# Altium PCB spin5v1_simple.PcbDoc (part 21 of 25)
Units mm, origin at the board's own origin, x right, y up, seen from the top; angles counter-clockwise.
Board outline 220.03 x 233.43 mm, 2 copper layers (TOP, BOTTOM), stack 0.176 mm thick; 1457 components, 4724 nets, 19245 pads, 25289 vias.
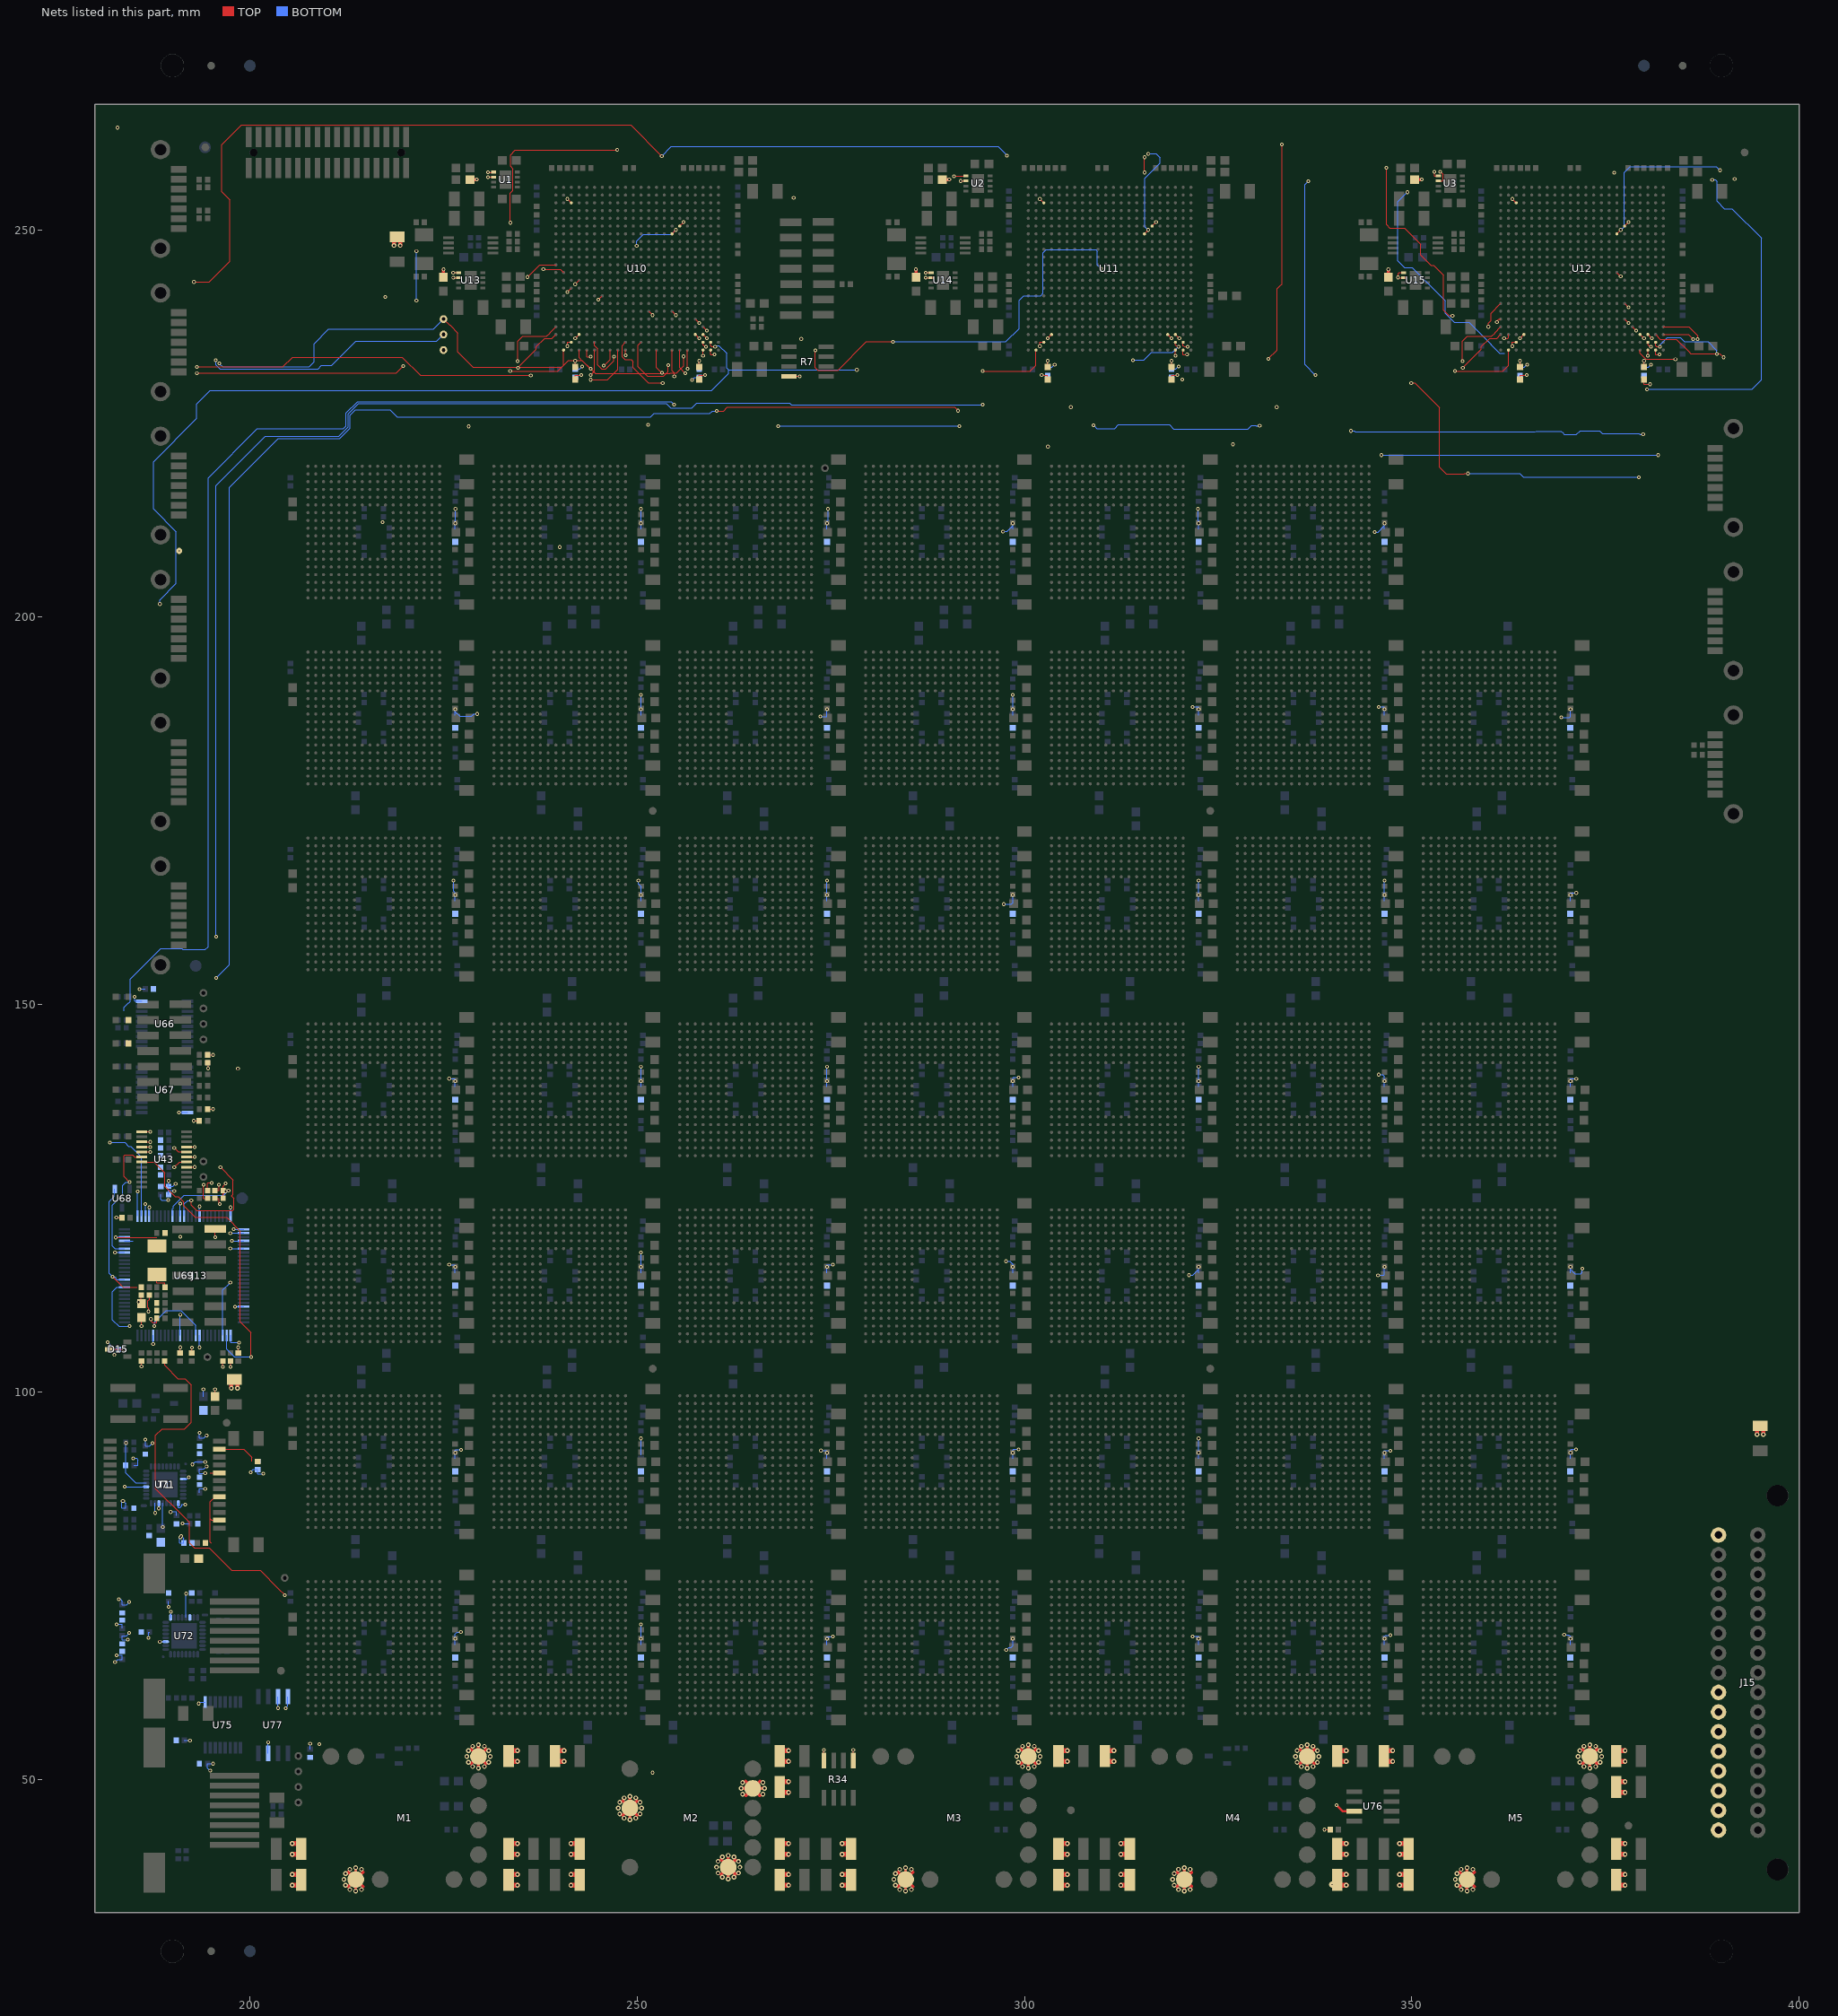
[diagram p21: the nets of this part, all layers, seen from the top]

## Via types
v1: diameter 0.48, hole 0.25, TOP to BOTTOM, 22348 vias
v2: diameter 0.61, hole 0.3, TOP to BOTTOM, 2059 vias
v3: diameter 0.8, hole 0, TOP to BOTTOM, 882 vias

## Nets (pads, with @x,y where several pads share a name; then routed paths per layer and width w, separated by ;. In a path a pad name is that pad's centre, name@x,y a point inside that pad or via, vN(x,y) a via of type N, cw(c..) or ccw(c..) an arc to the next point about the centre after c; other vN are vias at no path point) (continued)
V33: C32.1 C33.1 C34.1 C86.1 C87.1 C88.1 C284.1 C299.1 C340.1 C341.1 C349.1 C432.1 C437.1 C438.1 C704.1 C790.1 C861.1 C898.1 C913.1 C914.1 C947.1 C962.1 C1007.1 C1008.1 C1009.1 D1.2 D2.2 D3.2 D4.2 D5.2 D6.2 D15.3 D16.2 D17.2 D18.2 D19.2 D20.2 D21.2 D22.2 D23.2 D24.2 D25.2 D26.2 D27.2 D28.2 D29.2 D30.2 D31.2 D32.2 D33.2 D34.2 D35.2 D36.2 D37.2 D38.2 D39.2 D40.2 D41.2 D42.2 D43.2 D44.2 D45.2 D46.2 D47.2 D48.2 D49.2 D50.2 D51.2 D52.2 D53.2 D54.2 D55.2 D56.2 D57.2 D58.2 D59.2 D60.2 D61.2 D62.2 D63.2 FB35.1 J13.13 J15.C1 M2.4 R7.8 R8.1 R9.1 R13.1 R18.1 R19.1 R20.1 R21.1 R22.1 R24.1 R25.1 R29.1 R30.1 R31.1 R34.5 R34.8 R115.1 R130.1 R140.1 R143.1 R145.1 R146.1 R147.1 R148.1 R156.1 R160.1 R162.1 R172.1 R173.1 R175.1 R188.1 U1.1 U1.2 U2.1 U2.2 U3.1 U3.2 U13.1 U13.2 U14.1 U14.2 U15.1 U15.2 U43.1 U66.20 U67.20 U69.19 U69.28 U69.42 U69.54 U69.71 U69.84 U69.96 U71.1 U71.12 U71.27 U72.1 U72.27 U75.1 U76.3 U77.3 U77.7 U77.8 | length 202.5
  TOP w0.127: D15.3@181.81,105.5 v1(183.732,105.5) ; v1(182.758,122.5) C299.1@183.47,122.5 ; v1(186,103.268) R25.1@186,103.97 ; v1(186,108.48) FB35.1@186,109.6 ; U43.1@186.05,133.575 v1(187.117,133.575) ; v1(186.917,110.375) 186.917,110.806 186.826,110.897 186.826,111.745 187.03,111.949 R22.1@187.03,112.5 ; v1(187.226,109.4) 187.226,109.189 187.466,108.949 187.97,108.949 R24.1@187.97,109.5 ; C340.1@191,105.03 v1(191,105.742) ; R29.1@192.5,105.03 v1(192.5,105.732) ; v1(192.758,135) C284.1@193.47,135 ; v1(194.004,126.727) 194.004,125 R20.1@194.53,125 ; R18.1@194.53,126 194.53,126.91 194.601,126.981 v1(195.06,126.981) ; R13.1@194.53,136.5 v1(195.232,136.5) ; R9.1@194.53,142.5 194.603,142.5 v1(194.603,141.773) ; R8.1@194.53,143.5 v1(195.232,143.5) ; R21.1@195.47,125 195.996,125 195.996,124.358 v1(196.107,124.247) ; R19.1@195.47,126 195.996,126 v1(195.996,126.727) ; C349.1@195.5,99.4 v1(195.5,100.342) ; v1(195.52,119.971) J13.13@195.52,121.04 ; v1(196.5,103.244) R30.1@196.5,103.97 ; v1(197.5,103.244) R31.1@197.5,103.97 ; C341.1@198.5,105.03 v1(198.5,105.742) ; v1(226.258,244.475) U13.1@226.95,244.475 ; v1(226.259,243.825) U13.2@226.95,243.825 ; v1(230.758,256.825) U1.2@231.45,256.825 ; v1(230.758,257.445) 231.45,257.445 U1.1@231.45,257.475 ; D1.2@242,230.675 242,231.266 v1(242.767,231.266) ; D2.2@258,230.675 258,231.266 v1(258.767,231.266) ; R7.8@269.6,231.1 v1(270.967,231.1) ; R34.8@274.1,52.4 v1(274.1,53.767) ; R34.5@277.91,52.4 v1(277.91,53.767) ; v1(287.258,244.475) U14.1@287.95,244.475 ; v1(287.268,243.825) U14.2@287.95,243.825 ; v1(290.9,256.93) 291.889,256.93 291.934,256.975 U2.1@292.45,256.975 ; v1(291.758,256.325) U2.2@292.45,256.325 ; v1(302.233,231.266) 303,231.266 D3.2@303,230.675 ; D4.2@319,230.675 319,231.266 v1(319.767,231.266) ; v1(338.758,43.5) C1007.1@339.47,43.5 ; U15.2@348.95,243.825 348.302,243.825 v1(348.258,243.869) 348.258,244.348 348.385,244.475 U15.1@348.95,244.475 ; v1(352.934,257.517) 352.934,256.975 U3.1@353.45,256.975 ; U3.2@353.45,256.325 353.46,256.335 353.921,256.335 354.034,256.448 354.034,257.183 v1(353.7,257.517) ; D5.2@364,230.675 364,231.266 v1(364.867,231.266) ; D6.2@380,230.675 380,230.084 v1(380.8,230.084)
  TOP w0.3: v1(340.325,46.669) 341.134,45.86 U76.3@342.6,45.86
  TOP w0.4: C86.1@225,243.9 v1(225,244.9) ; C32.1@228.4,256.5 v1(229.3,256.5) ; 260.818,37.708 M2.4@261.76,38.65 ; 260.818,39.592 M2.4@261.76,38.65 ; v2@261.76,37.39 M2.4@261.76,38.65 ; v2@261.76,39.91 M2.4@261.76,38.65 ; 262.702,37.708 M2.4@261.76,38.65 ; 262.702,39.592 M2.4@261.76,38.65 ; C87.1@286,243.9 v1(286,244.9) ; C33.1@289.4,256.5 v1(290.3,256.5) ; C88.1@347,243.9 v1(347,244.9) ; C34.1@350.4,256.5 v1(351.3,256.5)
  BOTTOM w0.127: 181.97,105.5 182.496,105.5 v1(182.496,104.773) ; v1(182.586,118) U69.19@183.8,118 ; v1(182.773,65.996) 183.5,65.996 183.5,65.47 ; v1(182.773,69.996) 183.5,69.996 183.5,69.47 ; v1(183.07,73.232) 183.26,73.232 183.5,72.992 183.5,72.53 ; 183.5,68.53 183.5,68.004 v1(184.255,68.004) ; v1(183.572,85.9) 183.444,85.772 183.444,85 183.97,85 ; v1(183.816,87.75) U71.12@186.625,87.75 ; v1(184.917,91.431) 185.367,91.431 185.566,91.232 185.566,90.5 185.03,90.5 ; v1(185.109,151.022) 185.109,150.43 U66.20@186.05,150.43 ; v1(185.758,152) 186.47,152 ; 186.5,93.03 v1(186.5,93.846) ; U69.28@186.5,122.7 v1(186.5,124.247) ; v1(186.9,68.263) 186.9,69 187.03,69 ; v1(187.5,106.183) U69.96@187.5,107.3 ; v1(188.381,67.75) U72.27@189.125,67.75 ; 188.5,125.47 188.5,124.868 188.6,124.768 v1(189.43,124.768) ; v1(189.5,72.258) 189.5,72.97 ; 189.5,126.53 v1(189.5,127.232) ; U72.1@189.75,70.875 189.812,70.875 v1(189.812,71.592) ; v1(189.763,84.498) 189.831,84.566 190.5,84.566 190.5,84.03 ; U71.1@190.75,85.625 190.75,85.084 190.999,85.084 191.198,85.283 191.198,85.458 v1(191.629,85.458) ; v1(190.833,136.07) U67.20@191.95,136.07 ; v1(191,81.227) 190.944,81.171 190.944,80.5 191.47,80.5 ; v1(191.301,83) 192.22,83 ; U71.27@191.375,88.75 191.852,88.75 192.092,88.99 v1(192.092,88.995) ; 191.53,55 v1(192.255,55) ; v1(193.384,59.773) 193.561,59.95 U75.1@194.22,59.95 ; 193.5,86.97 193.5,87.496 v1(194.227,87.496) ; 193.5,90.03 193.5,89.504 v1(194.227,89.504) ; 193.5,90.97 v1(194.227,90.97) ; 193.5,94.03 v1(193.5,94.732) ; v1(193.5,105.753) U69.84@193.5,107.3 ; U69.42@193.5,122.7 v1(193.5,123.931) ; 194,99.4 v1(194,100.342) ; 194.53,52 v1(195.232,52) ; v1(197.653,119.5) U69.54@199.2,119.5 ; v1(198.083,111) U69.71@199.2,111 ; 201,89.97 201,89.444 v1(201.737,89.444) ; U77.3@202.36,53.34 v1(202.36,54.778) ; v1(203.63,59.19) U77.7@203.63,60.66 ; v1(204.609,59.177) 204.9,59.468 U77.8@204.9,60.66 ; 207.781,53.877 v1(207.781,54.567) ; v1(225.733,116.431) 226.5,116.431 226.5,115.825 ; v1(225.733,140.431) 226.5,140.431 226.5,139.825 ; v1(226.292,165.992) 226.292,164.624 226.5,164.416 226.5,163.825 ; 226.5,67.825 226.5,68.746 226.754,69 v1(227.237,69) ; 226.5,91.825 226.5,92.424 226.6,92.524 v1(227.267,92.524) ; 226.5,187.825 227.091,187.234 228.632,187.234 228.911,187.513 v1(229.342,187.513) ; 226.5,211.825 226.5,212.416 226.534,212.45 v1(226.534,213.992) ; v1(250.163,165.992) 250.163,165.561 250.5,165.224 250.5,163.825 ; 250.5,67.825 v1(250.5,69.992) ; 250.5,91.825 v1(250.5,93.992) ; 250.5,115.825 v1(250.5,117.992) ; 250.5,139.825 v1(250.5,141.992) ; 250.5,187.825 v1(250.5,189.992) ; 250.5,211.825 v1(250.5,213.992) ; v1(273.658,187.2) 274.5,187.2 274.5,187.825 ; v1(273.733,92.431) 274.5,92.431 274.5,91.825 ; 274.5,67.825 274.5,68.416 v1(275.267,68.416) ; 274.5,115.825 274.5,116.416 v1(275.267,116.416) ; 274.5,139.825 v1(274.5,141.992) ; 274.5,163.825 v1(274.5,165.992) ; 274.5,211.825 274.5,212.416 274.635,212.551 v1(274.635,213.992) ; v1(297.24,211.069) 297.744,211.069 298.5,211.825 ; v1(297.354,162.966) 298.301,162.966 298.5,163.165 298.5,163.825 ; v1(297.611,116.862) 298.103,116.862 298.5,116.465 298.5,115.825 ; v1(297.658,66.704) 297.974,67.02 298.301,67.02 298.5,67.219 298.5,67.825 ; 298.5,91.825 298.5,92.492 298.6,92.592 v1(299.237,92.592) ; 298.5,139.825 298.5,140.492 298.6,140.592 v1(299.237,140.592) ; 298.5,187.825 v1(298.5,189.992) ; v1(321.254,115.068) 321.743,115.068 322.5,115.825 ; v1(321.733,68.431) 322.5,68.431 322.5,67.825 ; v1(321.733,188.431) 322.5,188.431 322.5,187.825 ; v1(322.427,213.992) 322.427,212.489 322.5,212.416 322.5,211.825 ; 322.5,91.825 v1(322.5,93.992) ; 322.5,139.825 v1(322.5,141.992) ; 322.5,163.825 v1(322.5,165.992) ; v1(345.24,211) 345.675,211 346.5,211.825 ; v1(345.658,115.055) 346.4,115.055 346.5,115.155 346.5,115.825 ; v1(345.733,188.431) 346.5,188.431 346.5,187.825 ; v1(345.763,140.958) 346.246,140.958 346.5,140.704 346.5,139.825 ; 346.5,67.825 346.5,68.492 346.6,68.592 v1(347.237,68.592) ; 346.5,91.825 346.5,92.416 v1(347.267,92.416) ; 346.5,163.825 v1(346.5,165.992) ; v1(369.334,187.069) 370.4,187.069 370.5,187.169 370.5,187.825 ; v1(369.7,68.651) 370.301,68.651 370.5,68.452 370.5,67.825 ; 370.5,91.825 370.5,92.492 370.6,92.592 v1(371.237,92.592) ; 370.5,115.825 371.091,115.234 371.838,115.234 372.037,115.433 v1(372.037,115.917) ; 370.5,139.825 370.5,140.416 v1(371.267,140.416) ; 370.5,163.825 370.5,164.416 v1(371.267,164.416)
  other v1: 252,50.856 194.871,51.092 182.592,65.129 226.5,68.136 250.5,68.136 274.5,68.136 298.5,68.136 322.5,68.136 346.5,68.136 370.5,68.136 184.408,68.871 184.408,72.871 191.129,81.408 183.629,85.908 200.092,89.629 194.408,90.371 192.592,90.629 226.5,92.136 274.5,92.136 298.5,92.136 322.5,92.136 346.5,92.136 370.5,92.136 187.408,93.371 194.408,94.371 181.629,106.408 226.5,116.136 250.5,116.136 274.5,116.136 298.5,116.136 322.5,116.136 346.5,116.136 370.5,116.136 190.408,126.871 226.5,140.136 250.5,140.136 274.5,140.136 298.5,140.136 322.5,140.136 346.5,140.136 370.5,140.136 226.5,164.136 250.5,164.136 274.5,164.136 298.5,164.136 322.5,164.136 346.5,164.136 370.5,164.136 226.5,188.136 250.5,188.136 274.5,188.136 298.5,188.136 322.5,188.136 346.5,188.136 370.5,188.136 226.5,212.136 250.5,212.136 274.5,212.136 298.5,212.136 322.5,212.136 346.5,212.136
  other v2: 261.76,37.138 261.004,37.341 262.516,37.341 260.451,37.894 263.069,37.894 260.248,38.65 263.272,38.65 260.451,39.406 263.069,39.406 261.004,39.959 262.516,39.959 261.76,40.162 394.6,94.493 395.4,94.493 197.6,100.493 198.4,100.493 218.6,247.993 219.4,247.993
VDDA: C331.1 C332.1 FB35.2 U69.10
  other v1: 184.486,108.483
VDDCR: C922.1 C923.1 U71.6
  other v1: 188.75,82.537 187.75,84.383 188.25,84.954 184.003,93.407
VDDCR_2: C389.1 C946.1 U72.6
  other v1: 191.75,73.963
VPWR: C433.1 C434.1 C435.1 C436.1 C439.1 C440.1 C441.1 C442.1 C443.1 C444.1 C445.1 C446.1 C447.1 C448.1 C449.1 C1011.1 C1012.1 C1013.1 C1014.1 C1015.1 C1016.1 C1017.1 C1018.1 C1019.1 C1020.1 C1021.1 C1022.1 C1023.1 C1024.1 C1025.1 J15.C9 J15.C10 J15.C11 J15.C12 J15.C13 J15.C14 J15.C15 J15.C16 M1.2 M1.10 M2.2 M2.9 M3.2 M3.10 M4.2 M4.10 M5.2 M5.10 R28.1 | length 124.5
  TOP w0.127: R28.1@189,103.97 189,103.414 190.715,101.699 191.605,101.699 192.431,100.873 192.431,96.105 191.542,95.216 188.645,95.216 187.819,94.39 187.819,87.53 191.375,83.974 191.396,83.974 192.19,83.18 192.19,80.483 192.825,79.848 194.733,79.848 197.636,76.945 201.332,76.945 203.682,74.595 203.682,74.584 v1(204.512,73.754)
  TOP w0.4: 212.713,36.118 M1.2@213.655,37.06 ; 212.713,38.002 M1.2@213.655,37.06 ; v2@213.655,35.8 M1.2@213.655,37.06 ; v2@213.655,38.32 M1.2@213.655,37.06 ; 214.597,36.118 M1.2@213.655,37.06 ; 214.597,38.002 M1.2@213.655,37.06 ; 228.573,51.998 M1.10@229.515,52.94 ; 228.573,53.882 M1.10@229.515,52.94 ; v2@229.515,51.68 M1.10@229.515,52.94 ; v2@229.515,54.2 M1.10@229.515,52.94 ; 230.457,51.998 M1.10@229.515,52.94 ; 230.457,53.882 M1.10@229.515,52.94 ; 248.118,45.338 M2.2@249.06,46.28 ; 248.118,47.222 M2.2@249.06,46.28 ; v2@249.06,45.02 M2.2@249.06,46.28 ; v2@249.06,47.54 M2.2@249.06,46.28 ; 250.002,45.338 M2.2@249.06,46.28 ; 250.002,47.222 M2.2@249.06,46.28 ; v2@263.67,48.81 M2.9@264.93,48.81 ; 263.988,47.868 M2.9@264.93,48.81 ; 263.988,49.752 M2.9@264.93,48.81 ; 265.872,47.868 M2.9@264.93,48.81 ; 265.872,49.752 M2.9@264.93,48.81 ; v2@266.19,48.81 M2.9@264.93,48.81 ; 283.713,36.118 M3.2@284.655,37.06 ; 283.713,38.002 M3.2@284.655,37.06 ; v2@284.655,35.8 M3.2@284.655,37.06 ; v2@284.655,38.32 M3.2@284.655,37.06 ; 285.597,36.118 M3.2@284.655,37.06 ; 285.597,38.002 M3.2@284.655,37.06 ; 299.573,51.998 M3.10@300.515,52.94 ; 299.573,53.882 M3.10@300.515,52.94 ; v2@300.515,51.68 M3.10@300.515,52.94 ; v2@300.515,54.2 M3.10@300.515,52.94 ; 301.457,51.998 M3.10@300.515,52.94 ; 301.457,53.882 M3.10@300.515,52.94 ; 319.713,36.118 M4.2@320.655,37.06 ; 319.713,38.002 M4.2@320.655,37.06 ; v2@320.655,35.8 M4.2@320.655,37.06 ; v2@320.655,38.32 M4.2@320.655,37.06 ; 321.597,36.118 M4.2@320.655,37.06 ; 321.597,38.002 M4.2@320.655,37.06 ; 335.573,51.998 M4.10@336.515,52.94 ; 335.573,53.882 M4.10@336.515,52.94 ; v2@336.515,51.68 M4.10@336.515,52.94 ; v2@336.515,54.2 M4.10@336.515,52.94 ; 337.457,51.998 M4.10@336.515,52.94 ; 337.457,53.882 M4.10@336.515,52.94 ; 356.213,36.118 M5.2@357.155,37.06 ; 356.213,38.002 M5.2@357.155,37.06 ; v2@357.155,35.8 M5.2@357.155,37.06 ; v2@357.155,38.32 M5.2@357.155,37.06 ; 358.097,36.118 M5.2@357.155,37.06 ; 358.097,38.002 M5.2@357.155,37.06 ; 372.073,51.998 M5.10@373.015,52.94 ; 372.073,53.882 M5.10@373.015,52.94 ; v2@373.015,51.68 M5.10@373.015,52.94 ; v2@373.015,54.2 M5.10@373.015,52.94 ; 373.957,51.998 M5.10@373.015,52.94 ; 373.957,53.882 M5.10@373.015,52.94
  other v1: 208.98,54.52
  other v2: 213.655,35.548 284.655,35.548 320.655,35.548 357.155,35.548 212.899,35.751 214.411,35.751 283.899,35.751 285.411,35.751 319.899,35.751 321.411,35.751 356.399,35.751 357.911,35.751 205.45,36.3 212.346,36.304 234.55,36.3 241.45,36.3 269.55,36.3 276.45,36.3 283.346,36.304 305.55,36.3 312.45,36.3 319.346,36.304 341.55,36.3 348.45,36.3 355.846,36.304 377.55,36.3 212.143,37.06 283.143,37.06 319.143,37.06 355.643,37.06 205.45,37.7 234.55,37.7 241.45,37.7 269.55,37.7 276.45,37.7 305.55,37.7 312.45,37.7 341.55,37.7 348.45,37.7 377.55,37.7 212.346,37.816 283.346,37.816 319.346,37.816 355.846,37.816 212.899,38.369 214.411,38.369 283.899,38.369 285.411,38.369 319.899,38.369 321.411,38.369 356.399,38.369 357.911,38.369 213.655,38.572 284.655,38.572 320.655,38.572 357.155,38.572 205.45,40.3 234.55,40.3 241.45,40.3 269.55,40.3 276.45,40.3 305.55,40.3 312.45,40.3 341.55,40.3 348.45,40.3 377.55,40.3 205.45,41.7 234.55,41.7 241.45,41.7 269.55,41.7 276.45,41.7 305.55,41.7 312.45,41.7 341.55,41.7 348.45,41.7 377.55,41.7 249.06,44.768 248.304,44.971 249.816,44.971 247.751,45.524 250.369,45.524 247.548,46.28 250.572,46.28 247.751,47.036 250.369,47.036 248.304,47.589 249.816,47.589 249.06,47.792 263.621,48.054 266.239,48.054 269.55,48.3 377.55,48.3 263.418,48.81 266.442,48.81 263.621,49.566 266.239,49.566 269.55,49.7 377.55,49.7 229.515,51.428 300.515,51.428 336.515,51.428 373.015,51.428 228.759,51.631 230.271,51.631 299.759,51.631 301.271,51.631 335.759,51.631 337.271,51.631 372.259,51.631 373.771,51.631 228.206,52.184 230.824,52.184 299.206,52.184 301.824,52.184 335.206,52.184 337.824,52.184 371.706,52.184 374.324,52.184 234.55,52.3 240.55,52.3 269.55,52.3 305.55,52.3 311.55,52.3 341.55,52.3 347.55,52.3 377.55,52.3 228.003,52.94 231.027,52.94 299.003,52.94 302.027,52.94 335.003,52.94 338.027,52.94 371.503,52.94 374.527,52.94 228.206,53.696 230.824,53.696 234.55,53.7 240.55,53.7 269.55,53.7 299.206,53.696 301.824,53.696 305.55,53.7 311.55,53.7 335.206,53.696 337.824,53.696 341.55,53.7 347.55,53.7 371.706,53.696 374.324,53.696 377.55,53.7 228.759,54.249 230.271,54.249 299.759,54.249 301.271,54.249 335.759,54.249 337.271,54.249 372.259,54.249 373.771,54.249 229.515,54.452 300.515,54.452 336.515,54.452 373.015,54.452
  other v3: 339.725,36.401
VREF: C315.1 R22.2 U68.1 U69.12 | length 3.7
  TOP w0.127: v1(182.283,114.853) 183.636,113.5 185.434,113.5
  other v1: 185.629,111.592
VTERM1_DECOUP: C387.1 R160.2 T1.2 T1.5 | length 3.2
  TOP w0.127: 194.866,83.598 194.866,80.626 194.992,80.5
VTERM2_DECOUP: C365.1 R146.2 T1.8 T1.11 | length 0.5
  TOP w0.127: 200.263,91.03 200.263,91.566
XIL_CCLK: TP1.1 U10.Y20 U11.Y20 U12.Y20 U69.78 | length 135
  TOP w0.127: TP1.1@225,238.5 225.801,237.699 225.821,237.699 226.837,236.683 226.837,234.233 228.806,232.264 240.242,232.264 240.496,232.518 240.496,232.535 241.131,233.17 242.88,233.17 243.452,232.598 243.452,232.591 244.595,231.448 254.198,231.448 254.296,231.546 255.111,231.546 256,232.435 v1(256,233.673)
  BOTTOM w0.127: v1(196.033,232.762) 196.473,232.322 207.637,232.322 208.272,232.957 208.272,235.286 210.177,237.191 223.691,237.191 TP1.1@225,238.5 ; v1(336.655,256.275) 336.224,255.844 336.224,232.612 v1(337.57,231.266) ; v1(342.163,224.066) 342.594,224.066 342.721,223.939 365.951,223.939 366.035,224.023 369.309,224.023 369.508,223.824 369.508,223.807 369.707,223.608 371.273,223.608 371.752,224.087 374.255,224.087 374.609,223.733 379.338,223.733 379.456,223.615 v1(379.887,223.615)
  other v1: 197.467,114.1 320.4,230.673 259,236 320,236 381,236 270.2,254.145
XIL_DIN: TP2.1 U10.AA20 U11.AA20 U12.AA20 U69.76 | length 130.6
  TOP w0.127: v1(273,234.465) 273,232.197 273.318,231.879 275.918,231.879 279.605,235.566 v1(283.017,235.566) ; v1(349.942,230.23) 350.415,230.23 353.59,227.055 353.59,219.39 354.479,218.501 356.778,218.501 356.832,218.555 v1(357.263,218.555)
  BOTTOM w0.127: v1(195.602,233.192) 195.602,232.576 196.11,232.068 208.822,232.068 209.246,232.492 210.53,232.492 213.672,235.634 224.134,235.634 TP2.1@225,236.5 ; v1(283.017,235.566) 297.624,235.566 299.339,237.281 299.339,240.925 299.911,241.497 302.113,241.497 302.431,241.815 302.431,247.05 302.812,247.431 309.232,247.431 309.431,247.232 309.431,245.47 v1(309.901,245) ; v1(314,233.2) 315.45,233.2 316.429,234.179 319.149,234.179 v1(319.901,234.931) ; v1(357.263,218.555) 363.991,218.555 364.422,218.124 378.871,218.124 378.921,218.074 v1(379.352,218.074)
  other v1: 198.591,106.359 198.457,141.72 228.23,224.643 251.414,224.846 258.901,234.931 380.901,234.931
XIL_DONE: R113.2 U10.AB21 U11.AB21 U12.AB21 U43.18 | length 200.1
  TOP w0.127: v1(260.254,226.631) 261.162,226.631 261.647,227.116 290.976,227.116 v1(291.431,226.661)
  BOTTOM w0.127: v1(195.633,153.422) 197.334,155.123 197.334,216.751 203.684,223.101 211.605,223.101 212.939,224.435 212.939,226.103 213.638,226.802 218.108,226.802 219.033,225.877 251.737,225.877 252.168,226.308 259.377,226.308 259.7,226.631 v1(260.254,226.631) ; v1(346.116,220.939) v1(381.841,220.939)
  other v1: 190.232,129 326.941,222.316 260.001,233.934 321.001,233.934 382.001,233.934
XIL_DONE_U: U43.6 U69.20
  other v1: 184.45,127.082
XIL_DOUT: R114.2 TP3.1 U10.F17 U11.F17 U12.F17 U43.17 | length 31.4
  TOP w0.127: v1(233.62,250.935) 233.62,254.741 233.966,255.087 233.966,257.891 233.634,258.223 233.634,259.688 234.269,260.323 v1(247.437,260.323) ; v1(315.518,257.421) v1(315.518,259.394)
  BOTTOM w0.127: v1(221.5,240.9) v1(221.5,247.274)
  other v1: 192.867,129.025 256,251 317,251 378,251 376.141,257.392
XIL_DOUT_U: U43.7 U69.77 | length 34.5
  TOP w0.127: U43.7@186.05,129.675 187.608,129.675 189.005,128.278 189.005,126.533 190.339,125.199 190.732,125.199 191.431,124.5 191.431,124.046 192.955,122.522 196.99,122.522 198.768,120.744 198.768,109.038 200.145,107.661 v1(200.145,104.504)
XIL_FSEL<0>: U12.G16 U69.27 | length 32.9
  BOTTOM w0.127: v1(181.936,132.192) 183.838,132.192 184.323,131.707 184.603,131.707 186,130.31 U69.27@186,122.7 ; v1(377,250) 377.432,250.432 377.432,257.391 378.226,258.185 389.315,258.185 v1(389.8,257.7)
XIL_FSEL<1>: U10.G16 U69.26 | length 6.3
  BOTTOM w0.127: v1(249.931,247.951) 249.931,248.542 250.82,249.431 254.431,249.431 v1(255,250)
  other v1: 185.5,125.872
XIL_FSEL<2>: U11.G16 U69.85 | length 12
  BOTTOM w0.127: v1(316,250) 315.569,250.431 315.569,256.685 317.496,258.612 317.496,259.317 316.988,259.825 v1(316.003,259.825)
  other v1: 187.657,108.518
XIL_GRN_INT: D6.1 R40.2
  other v1: 380,233.092
XIL_GRN_INT_1: D2.1 R44.2
  other v1: 258,233.092
XIL_GRN_INT_2: D4.1 R43.2
  other v1: 319,233.092
XIL_INITB0_U: U43.3 U69.52
  other v1: 197.464,120.5 187.117,132.275
XIL_INITB1_U: U43.4 U69.51
  other v1: 197.894,121 187.117,131.625
XIL_INITB2_U: U43.5 U69.50
  other v1: 197.5,123.817 187.117,130.975
XIL_INITB<0>: R109.2 U12.Y4 U43.21 | length 24.2
  TOP w0.127: v1(346.752,258.03) 346.752,250.681 347.197,250.236 349.082,250.236 351.178,248.14 351.178,246.748 352.512,245.414 352.836,245.414 354.106,244.144 354.106,239.63 354.805,238.931 v1(355.275,238.931)
  other v1: 192.867,131.625 364,236
XIL_INITB<1>: R110.2 U10.Y4 U43.20 | length 27
  TOP w0.127: v1(193.17,231.522) 218.891,231.522 v1(219.8,232.431)
  other v1: 190.232,131.5 242,236
XIL_INITB<2>: R111.2 U11.Y4 U43.19 | length 23.4
  BOTTOM w0.127: v1(268.2,224.684) v1(291.607,224.684)
  other v1: 192.868,130.325 240.001,209.065 217.145,212.258 303.033,222.032 303,236 217.473,241.331
XIL_LED_GRN: R40.1 U12.AB20
  other v1: 380.908,232.621 384.065,233.317 380.5,233.748 379,237 378,240
XIL_LED_GRN_1: R44.1 U10.AB20
  other v1: 257.092,230.629 258.5,233.748
XIL_LED_GRN_2: R43.1 U11.AB20
  other v1: 319.908,232.371 319.5,233.748
XIL_LED_RED: R41.1 U12.AA3
  other v1: 364.908,232.621 363,235
XIL_LED_RED_1: R45.1 U10.AA3
  other v1: 242.908,232.371 241,235
XIL_LED_RED_2: R42.1 U11.AA3
  other v1: 303.908,232.621 302,235
XIL_M<0>: D9.2 U10.AA21 U11.AA21 U12.AA21 U69.56 | length 159.2
  TOP w0.127: v1(331.487,233.361) 332.633,234.507 332.633,242.413 333.03,242.81 333.059,242.81 333.258,243.009 v1(333.258,261.031)
  BOTTOM w0.127: v1(188.369,201.699) 188.369,202.227 190.484,204.342 190.484,211.058 187.538,214.004 187.538,220.059 193.153,225.674 193.153,227.54 194.866,229.253 259.597,229.253 261.82,231.476 261.82,231.939 ; v1@260,235.067 260.55,235.067 261.566,234.051 261.566,232.193 261.82,231.939 ; v1(278.367,231.939) 261.82,231.939 ; v1@382,235.069 383.04,236.109 384.676,236.109 385.219,235.566 388.276,235.566 389.356,234.486 389.356,234.482 389.4,234.438 v1(389.4,234.007)
  other v1: 197.464,118.5 306,227.122 332.571,227.122 390.297,233.561 260.07,234.931 321.07,234.931 382.07,234.931 386.327,235.918 386.934,235.918 378,238 377,244 391.7,256.576
  other v3: 190.865,208.552
XIL_M<1>: D8.2 U10.Y19 U11.Y19 U12.Y19 U69.29 | length 209.1
  BOTTOM w0.127: 183.734,149.197 183.734,149.639 184.306,150.211 184.357,150.211 184.556,150.41 184.556,153.312 188.493,157.249 191.198,157.249 191.342,157.105 194.231,157.105 194.611,157.485 194.611,217.989 200.961,224.339 212.05,224.339 212.431,224.72 212.431,226.383 213.892,227.844 254.369,227.844 v1(254.768,227.445) ; v1(308.928,224.797) 309.359,224.366 311.658,224.366 312.144,224.852 318.706,224.852 319.268,224.29 328.862,224.29 329.324,224.752 329.908,224.752 329.939,224.721 v1(330.37,224.721) ; v1(380.4,229.43) 393.984,229.43 395.191,230.637 395.191,248.94 391.381,252.75 390.384,252.75 389.431,253.703 389.431,256.277 389.232,256.476 v1(388.8,256.476)
  other v1: 187,123.817 271.182,235.931 258,236 319,236 380,236
XIL_PROGB<0>: R19.2 U12.AB2 U69.35 | length 155.4
  TOP w0.127: v1(192.77,243.28) 194.755,243.28 197.422,245.947 197.422,253.868 196.356,254.934 196.356,260.992 198.896,263.532 249.174,263.532 v1(253.183,259.523)
  BOTTOM w0.127: v1(253.183,259.523) 254.413,260.753 296.606,260.753 v1(297.755,259.604) ; v1(349.442,254.865) 348.227,253.65 348.227,245.986 349.053,245.16 350.042,245.16 354.36,240.842 354.36,239.213 355.503,238.07 357.4,238.07 360.258,235.212 360.258,235.172 361.338,234.092 362,234.092
  other v1: 197.232,126 196.871,126.908 355.6,231.777 356.6,232.209 356.569,233.07 361.933,236.001 359.908,237.499 361.017,238.099
XIL_PROGB<1>: R115.2 U10.AB2 U69.37 | length 47.5
  TOP w0.127: v1(193.17,232.331) 204.264,232.331 205.517,233.584 219.661,233.584 222.015,231.23 v1(236.264,231.23)
  BOTTOM w0.127: 189.5,125.47 189.5,125.996 190.167,125.996 v1(190.227,125.936) ; U69.37@191,122.7 v1(191,124.292)
  other v1: 253.297,230.23 244,230.661 254.801,231.092 244,231.268 256.216,231.491 253.2,231.554 233.6,231.777 244,232.069 256.5,232.098 234.6,232.209 245.699,232.468 254,232.554 234.569,233.07 244,233.625 247,233.625 248.5,233.826 259,237 258,238 252,239 255,239 245,241 241,242 242,243 235.842,243.927 237.895,244.927
XIL_PROGB<2>: R21.2 U11.AB2 U69.38 | length 176
  TOP w0.127: v1(192.431,124.703) 192.431,124.085 193.13,123.386 197.732,123.386 197.931,123.585 197.931,124.985 197.662,125.254 197.662,125.329 197.841,125.508 197.841,127.367 v1(196.198,129.01)
  BOTTOM w0.127: v1(195.633,158.747) 195.633,217.005 201.983,223.355 211.478,223.355 212.685,224.562 212.685,226.256 214.019,227.59 253.761,227.59 254.337,227.014 257.067,227.014 257.722,227.669 269.674,227.669 269.898,227.445 v1(294.6,227.445)
  other v1: 196.871,125.908 294.6,231.777
XIL_RED_INT: D5.1 R41.2
  other v1: 364,233.092
XIL_RED_INT_1: D1.1 R45.2
  other v1: 242,233.092
XIL_RED_INT_2: D3.1 R42.2
  other v1: 303,233.092
XIL_RST: U10.C3 U11.C3 U12.C3 U69.89
  other v1: 191,109.967 191,120.017 241,254 302,254 363,254 182.904,263.2
XTAL1: C316.1 U44.1 U69.22 | length 2.7
  TOP w0.127: U44.1@188,115.15 188,114.061 189.03,114.061 C316.1@189.03,113.5
XTAL2: C300.1 U44.2 U69.23 | length 5.3
  TOP w0.127: v1(182.683,119.931) 188,119.931

## Text inside footprints (layer, text, board x,y; h text height)
C591: PIN_NUMBER "1" at 217,189.77 h0.8; PIN_NUMBER "2" at 217.06,188.62 h0.8
C592: PIN_NUMBER "1" at 213.72,189.23 h0.8 r180; PIN_NUMBER "2" at 213.66,190.38 h0.8 r180
C593: PIN_NUMBER "1" at 360.97,186.73 h0.8 r180; PIN_NUMBER "2" at 360.91,187.88 h0.8 r180
C594: PIN_NUMBER "1" at 357.75,187.27 h0.8; PIN_NUMBER "2" at 357.81,186.12 h0.8
C595: PIN_NUMBER "1" at 336.97,186.73 h0.8 r180; PIN_NUMBER "2" at 336.91,187.88 h0.8 r180
C596: PIN_NUMBER "1" at 333.75,187.27 h0.8; PIN_NUMBER "2" at 333.81,186.12 h0.8
C597: PIN_NUMBER "1" at 312.97,186.73 h0.8 r180; PIN_NUMBER "2" at 312.91,187.88 h0.8 r180
C598: PIN_NUMBER "1" at 309.75,187.27 h0.8; PIN_NUMBER "2" at 309.81,186.12 h0.8
C599: PIN_NUMBER "1" at 288.97,186.73 h0.8 r180; PIN_NUMBER "2" at 288.91,187.88 h0.8 r180
C600: PIN_NUMBER "1" at 285.75,187.27 h0.8; PIN_NUMBER "2" at 285.81,186.12 h0.8
C601: PIN_NUMBER "1" at 264.97,186.73 h0.8 r180; PIN_NUMBER "2" at 264.91,187.88 h0.8 r180
C602: PIN_NUMBER "1" at 261.75,187.27 h0.8; PIN_NUMBER "2" at 261.81,186.12 h0.8
C603: PIN_NUMBER "1" at 240.97,186.73 h0.8 r180; PIN_NUMBER "2" at 240.91,187.88 h0.8 r180
C604: PIN_NUMBER "1" at 237.75,187.27 h0.8; PIN_NUMBER "2" at 237.81,186.12 h0.8
C605: PIN_NUMBER "1" at 216.97,186.73 h0.8 r180; PIN_NUMBER "2" at 216.91,187.88 h0.8 r180
C606: PIN_NUMBER "1" at 213.75,187.27 h0.8; PIN_NUMBER "2" at 213.81,186.12 h0.8
C607: PIN_NUMBER "1" at 361,184.77 h0.8; PIN_NUMBER "2" at 361.06,183.62 h0.8
C608: PIN_NUMBER "1" at 357.72,184.23 h0.8 r180; PIN_NUMBER "2" at 357.66,185.38 h0.8 r180
C609: PIN_NUMBER "1" at 337,184.77 h0.8; PIN_NUMBER "2" at 337.06,183.62 h0.8
C610: PIN_NUMBER "1" at 333.72,184.23 h0.8 r180; PIN_NUMBER "2" at 333.66,185.38 h0.8 r180
C611: PIN_NUMBER "1" at 313,184.77 h0.8; PIN_NUMBER "2" at 313.06,183.62 h0.8
C612: PIN_NUMBER "1" at 309.72,184.23 h0.8 r180; PIN_NUMBER "2" at 309.66,185.38 h0.8 r180
C613: PIN_NUMBER "1" at 289,184.77 h0.8; PIN_NUMBER "2" at 289.06,183.62 h0.8
C614: PIN_NUMBER "1" at 285.72,184.23 h0.8 r180; PIN_NUMBER "2" at 285.66,185.38 h0.8 r180
C615: PIN_NUMBER "1" at 265,184.77 h0.8; PIN_NUMBER "2" at 265.06,183.62 h0.8
C616: PIN_NUMBER "1" at 261.72,184.23 h0.8 r180; PIN_NUMBER "2" at 261.66,185.38 h0.8 r180
C617: PIN_NUMBER "1" at 241,184.77 h0.8; PIN_NUMBER "2" at 241.06,183.62 h0.8
C618: PIN_NUMBER "1" at 237.72,184.23 h0.8 r180; PIN_NUMBER "2" at 237.66,185.38 h0.8 r180
C619: PIN_NUMBER "1" at 217,184.77 h0.8; PIN_NUMBER "2" at 217.06,183.62 h0.8
C620: PIN_NUMBER "1" at 213.72,184.23 h0.8 r180; PIN_NUMBER "2" at 213.66,185.38 h0.8 r180
C621: PIN_NUMBER "2" at 189.29,182.09 h0.8 r270; PIN_NUMBER "1" at 190.44,182.15 h0.8 r270
C622: PIN_NUMBER "2" at 189.29,180.82 h0.8 r270; PIN_NUMBER "1" at 190.44,180.88 h0.8 r270
C623: PIN_NUMBER "2" at 387.67,179.28 h0.8 r270; PIN_NUMBER "1" at 388.82,179.34 h0.8 r270
C624: PIN_NUMBER "2" at 189.29,178.28 h0.8 r270; PIN_NUMBER "1" at 190.44,178.34 h0.8 r270
C625: PIN_NUMBER "1" at 369.72,178.23 h0.8 r180; PIN_NUMBER "2" at 369.66,179.38 h0.8 r180
C626: PIN_NUMBER "1" at 345.72,178.23 h0.8 r180; PIN_NUMBER "2" at 345.66,179.38 h0.8 r180
C627: PIN_NUMBER "1" at 321.72,178.23 h0.8 r180; PIN_NUMBER "2" at 321.66,179.38 h0.8 r180
C628: PIN_NUMBER "1" at 297.72,178.23 h0.8 r180; PIN_NUMBER "2" at 297.66,179.38 h0.8 r180
C629: PIN_NUMBER "1" at 273.72,178.23 h0.8 r180; PIN_NUMBER "2" at 273.66,179.38 h0.8 r180
C630: PIN_NUMBER "1" at 249.72,178.23 h0.8 r180; PIN_NUMBER "2" at 249.66,179.38 h0.8 r180
C631: PIN_NUMBER "1" at 225.72,178.23 h0.8 r180; PIN_NUMBER "2" at 225.66,179.38 h0.8 r180
C632: PIN_NUMBER "2" at 387.67,178.01 h0.8 r270; PIN_NUMBER "1" at 388.82,178.07 h0.8 r270
C633: PIN_NUMBER "2" at 189.29,177.01 h0.8 r270; PIN_NUMBER "1" at 190.44,177.07 h0.8 r270
C634: PIN_NUMBER "1" at 361.98,175.9 h0.8; PIN_NUMBER "2" at 362.01,174.1 h0.8
C635: PIN_NUMBER "1" at 333.98,175.9 h0.8; PIN_NUMBER "2" at 334.01,174.1 h0.8
C636: PIN_NUMBER "1" at 309.98,175.9 h0.8; PIN_NUMBER "2" at 310.01,174.1 h0.8
C637: PIN_NUMBER "1" at 285.98,175.9 h0.8; PIN_NUMBER "2" at 286.01,174.1 h0.8
C638: PIN_NUMBER "1" at 261.98,175.9 h0.8; PIN_NUMBER "2" at 262.01,174.1 h0.8
C639: PIN_NUMBER "1" at 237.98,175.9 h0.8; PIN_NUMBER "2" at 238.01,174.1 h0.8
C640: PIN_NUMBER "1" at 213.98,175.9 h0.8; PIN_NUMBER "2" at 214.01,174.1 h0.8
C641: PIN_NUMBER "1" at 356.74,174.1 h0.8 r180; PIN_NUMBER "2" at 356.71,175.9 h0.8 r180
C642: PIN_NUMBER "1" at 336.74,174.1 h0.8 r180; PIN_NUMBER "2" at 336.71,175.9 h0.8 r180
C643: PIN_NUMBER "1" at 312.74,174.1 h0.8 r180; PIN_NUMBER "2" at 312.71,175.9 h0.8 r180
C644: PIN_NUMBER "1" at 288.74,174.1 h0.8 r180; PIN_NUMBER "2" at 288.71,175.9 h0.8 r180
C645: PIN_NUMBER "1" at 264.74,174.1 h0.8 r180; PIN_NUMBER "2" at 264.71,175.9 h0.8 r180
C646: PIN_NUMBER "1" at 240.74,174.1 h0.8 r180; PIN_NUMBER "2" at 240.71,175.9 h0.8 r180
C647: PIN_NUMBER "1" at 216.74,174.1 h0.8 r180; PIN_NUMBER "2" at 216.71,175.9 h0.8 r180
C648: PIN_NUMBER "1" at 345.72,169.23 h0.8 r180; PIN_NUMBER "2" at 345.66,170.38 h0.8 r180
C649: PIN_NUMBER "1" at 321.72,169.23 h0.8 r180; PIN_NUMBER "2" at 321.66,170.38 h0.8 r180
C650: PIN_NUMBER "1" at 297.72,169.23 h0.8 r180; PIN_NUMBER "2" at 297.66,170.38 h0.8 r180
C651: PIN_NUMBER "1" at 273.72,169.23 h0.8 r180; PIN_NUMBER "2" at 273.66,170.38 h0.8 r180
C652: PIN_NUMBER "1" at 249.72,169.23 h0.8 r180; PIN_NUMBER "2" at 249.66,170.38 h0.8 r180
C653: PIN_NUMBER "1" at 225.72,169.23 h0.8 r180; PIN_NUMBER "2" at 225.66,170.38 h0.8 r180
C654: PIN_NUMBER "1" at 205,169.77 h0.8; PIN_NUMBER "2" at 205.06,168.62 h0.8
C655: PIN_NUMBER "1" at 361,165.77 h0.8; PIN_NUMBER "2" at 361.06,164.62 h0.8
C656: PIN_NUMBER "1" at 357.72,165.23 h0.8 r180; PIN_NUMBER "2" at 357.66,166.38 h0.8 r180
C657: PIN_NUMBER "1" at 337,165.77 h0.8; PIN_NUMBER "2" at 337.06,164.62 h0.8
C658: PIN_NUMBER "1" at 333.72,165.23 h0.8 r180; PIN_NUMBER "2" at 333.66,166.38 h0.8 r180
C659: PIN_NUMBER "1" at 313,165.77 h0.8; PIN_NUMBER "2" at 313.06,164.62 h0.8
C660: PIN_NUMBER "1" at 309.72,165.23 h0.8 r180; PIN_NUMBER "2" at 309.66,166.38 h0.8 r180
C661: PIN_NUMBER "1" at 289,165.77 h0.8; PIN_NUMBER "2" at 289.06,164.62 h0.8
C662: PIN_NUMBER "1" at 285.72,165.23 h0.8 r180; PIN_NUMBER "2" at 285.66,166.38 h0.8 r180
C663: PIN_NUMBER "1" at 265,165.77 h0.8; PIN_NUMBER "2" at 265.06,164.62 h0.8
C664: PIN_NUMBER "1" at 261.72,165.23 h0.8 r180; PIN_NUMBER "2" at 261.66,166.38 h0.8 r180
C665: PIN_NUMBER "1" at 241,165.77 h0.8; PIN_NUMBER "2" at 241.06,164.62 h0.8
C666: PIN_NUMBER "1" at 237.72,165.23 h0.8 r180; PIN_NUMBER "2" at 237.66,166.38 h0.8 r180
C667: PIN_NUMBER "1" at 217,165.77 h0.8; PIN_NUMBER "2" at 217.06,164.62 h0.8
C668: PIN_NUMBER "1" at 213.72,165.23 h0.8 r180; PIN_NUMBER "2" at 213.66,166.38 h0.8 r180
C669: PIN_NUMBER "1" at 360.97,162.73 h0.8 r180; PIN_NUMBER "2" at 360.91,163.88 h0.8 r180
C670: PIN_NUMBER "1" at 357.75,163.27 h0.8; PIN_NUMBER "2" at 357.81,162.12 h0.8
C671: PIN_NUMBER "1" at 336.97,162.73 h0.8 r180; PIN_NUMBER "2" at 336.91,163.88 h0.8 r180
C672: PIN_NUMBER "1" at 333.75,163.27 h0.8; PIN_NUMBER "2" at 333.81,162.12 h0.8
C673: PIN_NUMBER "1" at 312.97,162.73 h0.8 r180; PIN_NUMBER "2" at 312.91,163.88 h0.8 r180
C674: PIN_NUMBER "1" at 309.75,163.27 h0.8; PIN_NUMBER "2" at 309.81,162.12 h0.8
C675: PIN_NUMBER "1" at 288.97,162.73 h0.8 r180; PIN_NUMBER "2" at 288.91,163.88 h0.8 r180
C676: PIN_NUMBER "1" at 285.75,163.27 h0.8; PIN_NUMBER "2" at 285.81,162.12 h0.8
C677: PIN_NUMBER "1" at 264.97,162.73 h0.8 r180; PIN_NUMBER "2" at 264.91,163.88 h0.8 r180
C678: PIN_NUMBER "1" at 261.75,163.27 h0.8; PIN_NUMBER "2" at 261.81,162.12 h0.8
C679: PIN_NUMBER "1" at 240.97,162.73 h0.8 r180; PIN_NUMBER "2" at 240.91,163.88 h0.8 r180
C680: PIN_NUMBER "1" at 237.75,163.27 h0.8; PIN_NUMBER "2" at 237.81,162.12 h0.8
C681: PIN_NUMBER "1" at 216.97,162.73 h0.8 r180; PIN_NUMBER "2" at 216.91,163.88 h0.8 r180
C682: PIN_NUMBER "1" at 213.75,163.27 h0.8; PIN_NUMBER "2" at 213.81,162.12 h0.8
C683: PIN_NUMBER "1" at 361,160.77 h0.8; PIN_NUMBER "2" at 361.06,159.62 h0.8
C684: PIN_NUMBER "1" at 357.72,160.23 h0.8 r180; PIN_NUMBER "2" at 357.66,161.38 h0.8 r180
C685: PIN_NUMBER "1" at 337,160.77 h0.8; PIN_NUMBER "2" at 337.06,159.62 h0.8
C686: PIN_NUMBER "1" at 333.72,160.23 h0.8 r180; PIN_NUMBER "2" at 333.66,161.38 h0.8 r180
C687: PIN_NUMBER "1" at 313,160.77 h0.8; PIN_NUMBER "2" at 313.06,159.62 h0.8
C688: PIN_NUMBER "1" at 309.72,160.23 h0.8 r180; PIN_NUMBER "2" at 309.66,161.38 h0.8 r180
C689: PIN_NUMBER "1" at 289,160.77 h0.8; PIN_NUMBER "2" at 289.06,159.62 h0.8
C690: PIN_NUMBER "1" at 285.72,160.23 h0.8 r180; PIN_NUMBER "2" at 285.66,161.38 h0.8 r180
C691: PIN_NUMBER "1" at 265,160.77 h0.8; PIN_NUMBER "2" at 265.06,159.62 h0.8
C692: PIN_NUMBER "1" at 261.72,160.23 h0.8 r180; PIN_NUMBER "2" at 261.66,161.38 h0.8 r180
C693: PIN_NUMBER "1" at 241,160.77 h0.8; PIN_NUMBER "2" at 241.06,159.62 h0.8
C694: PIN_NUMBER "1" at 237.72,160.23 h0.8 r180; PIN_NUMBER "2" at 237.66,161.38 h0.8 r180
C695: PIN_NUMBER "1" at 217,160.77 h0.8; PIN_NUMBER "2" at 217.06,159.62 h0.8
C696: PIN_NUMBER "1" at 213.72,160.23 h0.8 r180; PIN_NUMBER "2" at 213.66,161.38 h0.8 r180
C697: PIN_NUMBER "1" at 369.72,154.23 h0.8 r180; PIN_NUMBER "2" at 369.66,155.38 h0.8 r180
C698: PIN_NUMBER "1" at 345.72,154.23 h0.8 r180; PIN_NUMBER "2" at 345.66,155.38 h0.8 r180
C699: PIN_NUMBER "1" at 321.72,154.23 h0.8 r180; PIN_NUMBER "2" at 321.66,155.38 h0.8 r180
C700: PIN_NUMBER "1" at 297.72,154.23 h0.8 r180; PIN_NUMBER "2" at 297.66,155.38 h0.8 r180
C701: PIN_NUMBER "1" at 273.72,154.23 h0.8 r180; PIN_NUMBER "2" at 273.66,155.38 h0.8 r180
C702: PIN_NUMBER "1" at 249.72,154.23 h0.8 r180; PIN_NUMBER "2" at 249.66,155.38 h0.8 r180
C703: PIN_NUMBER "1" at 225.72,154.23 h0.8 r180; PIN_NUMBER "2" at 225.66,155.38 h0.8 r180
C704: PIN_NUMBER "1" at 186.09,152.39 h0.8 r90; PIN_NUMBER "2" at 187.24,152.45 h0.8 r90
C705: PIN_NUMBER "1" at 357.98,151.9 h0.8; PIN_NUMBER "2" at 358.01,150.1 h0.8
C706: PIN_NUMBER "1" at 337.98,151.9 h0.8; PIN_NUMBER "2" at 338.01,150.1 h0.8
C707: PIN_NUMBER "1" at 313.98,151.9 h0.8; PIN_NUMBER "2" at 314.01,150.1 h0.8
C708: PIN_NUMBER "1" at 289.98,151.9 h0.8; PIN_NUMBER "2" at 290.01,150.1 h0.8
C709: PIN_NUMBER "1" at 265.98,151.9 h0.8; PIN_NUMBER "2" at 266.01,150.1 h0.8
C710: PIN_NUMBER "1" at 241.98,151.9 h0.8; PIN_NUMBER "2" at 242.01,150.1 h0.8
C711: PIN_NUMBER "1" at 217.98,151.9 h0.8; PIN_NUMBER "2" at 218.01,150.1 h0.8
C712: PIN_NUMBER "1" at 360.74,150.1 h0.8 r180; PIN_NUMBER "2" at 360.71,151.9 h0.8 r180
C713: PIN_NUMBER "1" at 332.74,150.1 h0.8 r180; PIN_NUMBER "2" at 332.71,151.9 h0.8 r180
C714: PIN_NUMBER "1" at 308.74,150.1 h0.8 r180; PIN_NUMBER "2" at 308.71,151.9 h0.8 r180
C715: PIN_NUMBER "1" at 284.74,150.1 h0.8 r180; PIN_NUMBER "2" at 284.71,151.9 h0.8 r180
C716: PIN_NUMBER "1" at 260.74,150.1 h0.8 r180; PIN_NUMBER "2" at 260.71,151.9 h0.8 r180
C717: PIN_NUMBER "1" at 236.74,150.1 h0.8 r180; PIN_NUMBER "2" at 236.71,151.9 h0.8 r180
C718: PIN_NUMBER "1" at 212.74,150.1 h0.8 r180; PIN_NUMBER "2" at 212.71,151.9 h0.8 r180
C719: PIN_NUMBER "1" at 345.72,145.23 h0.8 r180; PIN_NUMBER "2" at 345.66,146.38 h0.8 r180
C720: PIN_NUMBER "1" at 321.72,145.23 h0.8 r180; PIN_NUMBER "2" at 321.66,146.38 h0.8 r180
C721: PIN_NUMBER "1" at 297.72,145.23 h0.8 r180; PIN_NUMBER "2" at 297.66,146.38 h0.8 r180
C722: PIN_NUMBER "1" at 273.72,145.23 h0.8 r180; PIN_NUMBER "2" at 273.66,146.38 h0.8 r180
C723: PIN_NUMBER "1" at 249.72,145.23 h0.8 r180; PIN_NUMBER "2" at 249.66,146.38 h0.8 r180
C724: PIN_NUMBER "1" at 225.72,145.23 h0.8 r180; PIN_NUMBER "2" at 225.66,146.38 h0.8 r180
C725: PIN_NUMBER "1" at 205,145.77 h0.8; PIN_NUMBER "2" at 205.06,144.62 h0.8
C726: PIN_NUMBER "1" at 361,141.77 h0.8; PIN_NUMBER "2" at 361.06,140.62 h0.8
C727: PIN_NUMBER "1" at 357.72,141.23 h0.8 r180; PIN_NUMBER "2" at 357.66,142.38 h0.8 r180
C728: PIN_NUMBER "1" at 337,141.77 h0.8; PIN_NUMBER "2" at 337.06,140.62 h0.8
C729: PIN_NUMBER "1" at 333.72,141.23 h0.8 r180; PIN_NUMBER "2" at 333.66,142.38 h0.8 r180
C730: PIN_NUMBER "1" at 313,141.77 h0.8; PIN_NUMBER "2" at 313.06,140.62 h0.8
C731: PIN_NUMBER "1" at 309.72,141.23 h0.8 r180; PIN_NUMBER "2" at 309.66,142.38 h0.8 r180
C732: PIN_NUMBER "1" at 289,141.77 h0.8; PIN_NUMBER "2" at 289.06,140.62 h0.8
C733: PIN_NUMBER "1" at 285.72,141.23 h0.8 r180; PIN_NUMBER "2" at 285.66,142.38 h0.8 r180
C734: PIN_NUMBER "1" at 265,141.77 h0.8; PIN_NUMBER "2" at 265.06,140.62 h0.8
C735: PIN_NUMBER "1" at 261.72,141.23 h0.8 r180; PIN_NUMBER "2" at 261.66,142.38 h0.8 r180
C736: PIN_NUMBER "1" at 241,141.77 h0.8; PIN_NUMBER "2" at 241.06,140.62 h0.8
C737: PIN_NUMBER "1" at 237.72,141.23 h0.8 r180; PIN_NUMBER "2" at 237.66,142.38 h0.8 r180
C738: PIN_NUMBER "1" at 217,141.77 h0.8; PIN_NUMBER "2" at 217.06,140.62 h0.8
C739: PIN_NUMBER "1" at 213.72,141.23 h0.8 r180; PIN_NUMBER "2" at 213.66,142.38 h0.8 r180
C740: PIN_NUMBER "1" at 360.97,138.73 h0.8 r180; PIN_NUMBER "2" at 360.91,139.88 h0.8 r180
C741: PIN_NUMBER "1" at 357.75,139.27 h0.8; PIN_NUMBER "2" at 357.81,138.12 h0.8
C742: PIN_NUMBER "1" at 336.97,138.73 h0.8 r180; PIN_NUMBER "2" at 336.91,139.88 h0.8 r180
C743: PIN_NUMBER "1" at 333.75,139.27 h0.8; PIN_NUMBER "2" at 333.81,138.12 h0.8
C744: PIN_NUMBER "1" at 312.97,138.73 h0.8 r180; PIN_NUMBER "2" at 312.91,139.88 h0.8 r180
C745: PIN_NUMBER "1" at 309.75,139.27 h0.8; PIN_NUMBER "2" at 309.81,138.12 h0.8
C746: PIN_NUMBER "1" at 288.97,138.73 h0.8 r180; PIN_NUMBER "2" at 288.91,139.88 h0.8 r180
C747: PIN_NUMBER "1" at 285.75,139.27 h0.8; PIN_NUMBER "2" at 285.81,138.12 h0.8
C748: PIN_NUMBER "1" at 264.97,138.73 h0.8 r180; PIN_NUMBER "2" at 264.91,139.88 h0.8 r180
C749: PIN_NUMBER "1" at 261.75,139.27 h0.8; PIN_NUMBER "2" at 261.81,138.12 h0.8
C750: PIN_NUMBER "1" at 240.97,138.73 h0.8 r180; PIN_NUMBER "2" at 240.91,139.88 h0.8 r180
C751: PIN_NUMBER "1" at 237.75,139.27 h0.8; PIN_NUMBER "2" at 237.81,138.12 h0.8
C752: PIN_NUMBER "1" at 216.97,138.73 h0.8 r180; PIN_NUMBER "2" at 216.91,139.88 h0.8 r180
C753: PIN_NUMBER "1" at 213.75,139.27 h0.8; PIN_NUMBER "2" at 213.81,138.12 h0.8
C754: PIN_NUMBER "1" at 361,136.77 h0.8; PIN_NUMBER "2" at 361.06,135.62 h0.8
C755: PIN_NUMBER "1" at 357.72,136.23 h0.8 r180; PIN_NUMBER "2" at 357.66,137.38 h0.8 r180
C756: PIN_NUMBER "1" at 337,136.77 h0.8; PIN_NUMBER "2" at 337.06,135.62 h0.8
C757: PIN_NUMBER "1" at 333.72,136.23 h0.8 r180; PIN_NUMBER "2" at 333.66,137.38 h0.8 r180
C758: PIN_NUMBER "1" at 313,136.77 h0.8; PIN_NUMBER "2" at 313.06,135.62 h0.8
C759: PIN_NUMBER "1" at 309.72,136.23 h0.8 r180; PIN_NUMBER "2" at 309.66,137.38 h0.8 r180
C760: PIN_NUMBER "1" at 289,136.77 h0.8; PIN_NUMBER "2" at 289.06,135.62 h0.8
C761: PIN_NUMBER "1" at 285.72,136.23 h0.8 r180; PIN_NUMBER "2" at 285.66,137.38 h0.8 r180
C762: PIN_NUMBER "1" at 265,136.77 h0.8; PIN_NUMBER "2" at 265.06,135.62 h0.8
C763: PIN_NUMBER "1" at 261.72,136.23 h0.8 r180; PIN_NUMBER "2" at 261.66,137.38 h0.8 r180
C764: PIN_NUMBER "1" at 241,136.77 h0.8; PIN_NUMBER "2" at 241.06,135.62 h0.8
C765: PIN_NUMBER "1" at 237.72,136.23 h0.8 r180; PIN_NUMBER "2" at 237.66,137.38 h0.8 r180
C766: PIN_NUMBER "1" at 217,136.77 h0.8; PIN_NUMBER "2" at 217.06,135.62 h0.8
C767: PIN_NUMBER "1" at 213.72,136.23 h0.8 r180; PIN_NUMBER "2" at 213.66,137.38 h0.8 r180
C768: PIN_NUMBER "1" at 188.09,133.89 h0.8 r90; PIN_NUMBER "2" at 189.24,133.95 h0.8 r90
C769: PIN_NUMBER "1" at 369.72,130.23 h0.8 r180; PIN_NUMBER "2" at 369.66,131.38 h0.8 r180
C770: PIN_NUMBER "1" at 345.72,130.23 h0.8 r180; PIN_NUMBER "2" at 345.66,131.38 h0.8 r180
C771: PIN_NUMBER "1" at 321.72,130.23 h0.8 r180; PIN_NUMBER "2" at 321.66,131.38 h0.8 r180
C772: PIN_NUMBER "1" at 297.72,130.23 h0.8 r180; PIN_NUMBER "2" at 297.66,131.38 h0.8 r180
C773: PIN_NUMBER "1" at 273.72,130.23 h0.8 r180; PIN_NUMBER "2" at 273.66,131.38 h0.8 r180
C774: PIN_NUMBER "1" at 249.72,130.23 h0.8 r180; PIN_NUMBER "2" at 249.66,131.38 h0.8 r180
C775: PIN_NUMBER "1" at 225.72,130.23 h0.8 r180; PIN_NUMBER "2" at 225.66,131.38 h0.8 r180
C776: PIN_NUMBER "1" at 361.98,127.9 h0.8; PIN_NUMBER "2" at 362.01,126.1 h0.8
C777: PIN_NUMBER "1" at 333.98,127.9 h0.8; PIN_NUMBER "2" at 334.01,126.1 h0.8
C778: PIN_NUMBER "1" at 309.98,127.9 h0.8; PIN_NUMBER "2" at 310.01,126.1 h0.8
C779: PIN_NUMBER "1" at 285.98,127.9 h0.8; PIN_NUMBER "2" at 286.01,126.1 h0.8
C780: PIN_NUMBER "1" at 261.98,127.9 h0.8; PIN_NUMBER "2" at 262.01,126.1 h0.8
C781: PIN_NUMBER "1" at 237.98,127.9 h0.8; PIN_NUMBER "2" at 238.01,126.1 h0.8
C782: PIN_NUMBER "1" at 213.98,127.9 h0.8; PIN_NUMBER "2" at 214.01,126.1 h0.8
C783: PIN_NUMBER "1" at 356.74,126.1 h0.8 r180; PIN_NUMBER "2" at 356.71,127.9 h0.8 r180
C784: PIN_NUMBER "1" at 336.74,126.1 h0.8 r180; PIN_NUMBER "2" at 336.71,127.9 h0.8 r180
C785: PIN_NUMBER "1" at 312.74,126.1 h0.8 r180; PIN_NUMBER "2" at 312.71,127.9 h0.8 r180
C786: PIN_NUMBER "1" at 288.74,126.1 h0.8 r180; PIN_NUMBER "2" at 288.71,127.9 h0.8 r180
C787: PIN_NUMBER "1" at 264.74,126.1 h0.8 r180; PIN_NUMBER "2" at 264.71,127.9 h0.8 r180
C788: PIN_NUMBER "1" at 240.74,126.1 h0.8 r180; PIN_NUMBER "2" at 240.71,127.9 h0.8 r180
C789: PIN_NUMBER "1" at 216.74,126.1 h0.8 r180; PIN_NUMBER "2" at 216.71,127.9 h0.8 r180
C790: PIN_NUMBER "1" at 187.47,125.73 h0.8 r180; PIN_NUMBER "2" at 187.41,126.88 h0.8 r180
C791: PIN_NUMBER "1" at 345.72,121.23 h0.8 r180; PIN_NUMBER "2" at 345.66,122.38 h0.8 r180
C792: PIN_NUMBER "1" at 321.72,121.23 h0.8 r180; PIN_NUMBER "2" at 321.66,122.38 h0.8 r180
C793: PIN_NUMBER "1" at 297.72,121.23 h0.8 r180; PIN_NUMBER "2" at 297.66,122.38 h0.8 r180
C794: PIN_NUMBER "1" at 273.72,121.23 h0.8 r180; PIN_NUMBER "2" at 273.66,122.38 h0.8 r180
C795: PIN_NUMBER "1" at 249.72,121.23 h0.8 r180; PIN_NUMBER "2" at 249.66,122.38 h0.8 r180
C796: PIN_NUMBER "1" at 225.72,121.23 h0.8 r180; PIN_NUMBER "2" at 225.66,122.38 h0.8 r180
C797: PIN_NUMBER "1" at 205,121.77 h0.8; PIN_NUMBER "2" at 205.06,120.62 h0.8
C798: PIN_NUMBER "1" at 361,117.77 h0.8; PIN_NUMBER "2" at 361.06,116.62 h0.8
C799: PIN_NUMBER "1" at 357.72,117.23 h0.8 r180; PIN_NUMBER "2" at 357.66,118.38 h0.8 r180
C800: PIN_NUMBER "1" at 337,117.77 h0.8; PIN_NUMBER "2" at 337.06,116.62 h0.8
C801: PIN_NUMBER "1" at 333.72,117.23 h0.8 r180; PIN_NUMBER "2" at 333.66,118.38 h0.8 r180
C802: PIN_NUMBER "1" at 313,117.77 h0.8; PIN_NUMBER "2" at 313.06,116.62 h0.8